# KiCad board noraneko52r.kicad_pcb (continued)
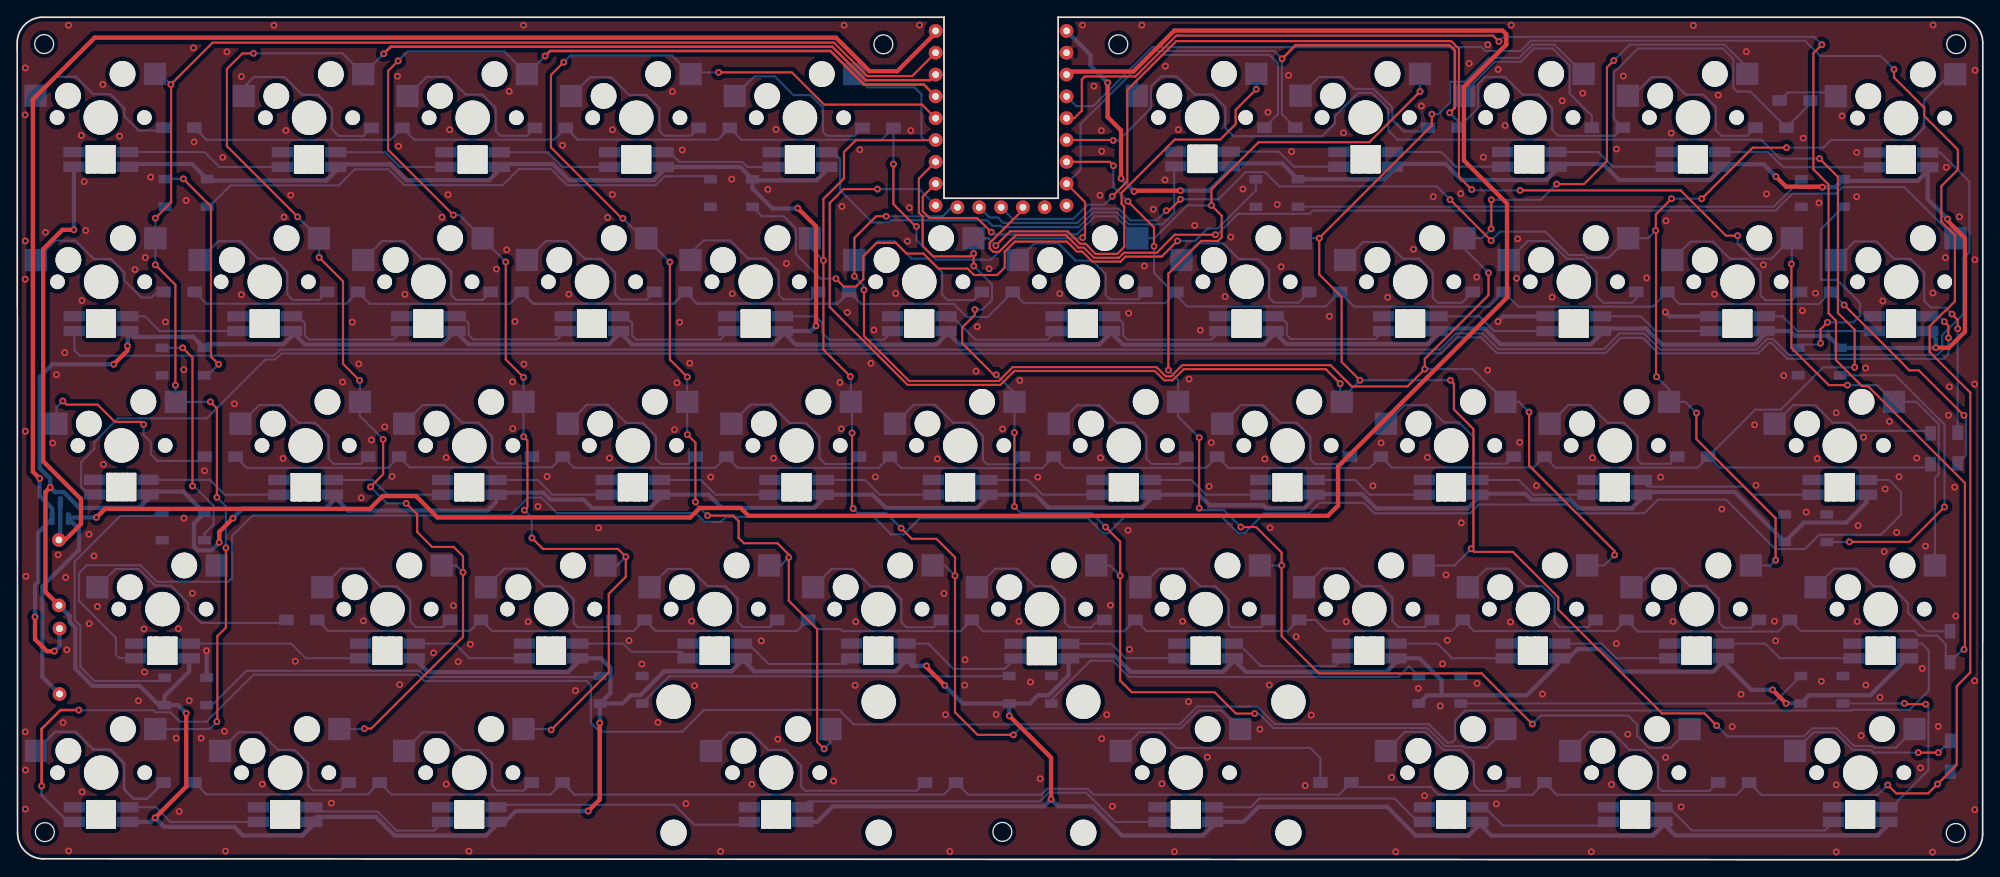
[diagram p0: board, top side]
## Routing (per net, layer and track width the routed paths; a pad name or vN(x,y) marks a point on that pad's centre or on a via; arc(x,y) is an arc through that point) (continued)
GND: length 14.9
  Top w0.5: 122.31,94.11 U1.31
  Bottom w0.5: LED20.3 172.99,63.28 v1(172.39,62.67) ; LED21.3 192.36,63.28 v1(191.85,63.78) ; LED57.3 22.06,24.33 v1(22.04,24.35)
  vias: v1(0.95,92.2) v1(0.93,86.73) v1(0.95,72.05) v1(0.94,67.59) v1(0.93,14.9) v1(0.95,5.9) v1(0.96,49.89) v1(1.02,33.01) v1(0.97,10.45) v1(3.3,73.05) v1(4.13,48.52) v1(4.57,56.48) v1(4.77,35.51) v1(5.34,15.97) v1(5.55,59.05) v1(5.65,32.88) v1(5.78,24.45) v1(5.98,97.17) v1(6,1.03) v1(7.47,84.33) v1(7.54,65.11) v1(7.55,7.9) v1(7.81,78.95) v1(7.98,73.27) v1(8.36,37.9) v1(8.38,27.49) v1(8.94,35.38) v1(9.34,29.49) v1(9.97,90.26) v1(10.04,46.03) v1(11.92,84.24) v1(13.72,68.72) v1(14.11,18.52) v1(14.76,26.88) v1(14.84,21.87) v1(14.91,70.12) v1(15.54,79.48) v1(17.26,62.62) v1(18.52,14.16) v1(18.76,26.9) v1(18.86,5.63) v1(19.39,57.06) v1(19.41,39.78) v1(19.67,76.77) v1(20.03,18.53) v1(20.39,31.03) v1(20.54,94.53) v1(20.59,83.57) v1(21.41,14.17) v1(21.81,45.29) v1(23.94,81.78) v1(24.13,14.96) v1(24.25,1.01) v1(24.42,94.07) v1(25.28,53.09) v1(26.1,91.19) v1(26.1,65.79) v1(28.53,8.81) v1(29.89,97.16) v1(30.95,46.73) v1(31.07,74.83) v1(31.28,84.91) v1(31.84,77.38) v1(32.38,23.11) v1(36.58,6.6) v1(37.89,55.62) v1(39.01,62.6) v1(39.77,57.73) v1(40.05,42.14) v1(40.3,27.82) v1(41.24,48.88) v1(42.79,50.41) v1(43.64,44.64) v1(44.28,91.22) v1(44.39,83.08) v1(44.52,20.39) v1(45.14,65.84) v1(48.48,24.09) v1(49.45,74.81) v1(49.94,46.83) v1(49.94,8.81) v1(50.16,77.43) v1(50.35,85) v1(50.79,29.59) v1(51.34,23.06) v1(52.59,1) v1(52.76,25.09) v1(55.79,68.77) v1(56.99,71.02) v1(57.28,89.47) v1(57.67,55.64) v1(57.7,50.2) v1(57.95,62.67) v1(58.95,97.17) v1(58.99,57.71) v1(59.49,27.73) v1(60.62,41.14) v1(61.69,44.64) v1(63.48,83.18) v1(64.23,65.85) v1(64.99,19.7) v1(67.68,38.64) v1(68.73,74.78) v1(68.95,46.77) v1(69.3,85) v1(69.29,77.46) v1(71.23,25.51) v1(72.73,22.79) v1(74.59,16) v1(76.28,89.44) v1(76.52,50.08) v1(76.81,55.53) v1(77.11,62.58) v1(77.42,82.64) v1(77.85,6.54) v1(78.3,57.82) v1(78.51,27.78) v1(78.85,20.27) v1(80.74,44.56) v1(81.89,0.98) v1(83.19,79.24) v1(83.25,65.91) v1(85.52,8.79) v1(86.62,25.49) v1(87.39,78.05) v1(88.06,46.75) v1(88.34,85.04) v1(88.55,14.04) v1(89.55,69.42) v1(95.04,9.16) v1(95.78,55.58) v1(95.94,50.17) v1(96.01,76.07) v1(96.27,97.17) v1(96.64,63.73) v1(97.55,20.32) v1(97.62,27.72) v1(98.09,82.67) v1(99.39,57.8) v1(99.74,61.68) v1(99.9,44.58) v1(102.27,65.94) v1(103.65,72.03) v1(103.86,75.92) v1(104.03,84.91) v1(105.05,97.18) v1(107.13,46.69) v1(107.89,31) v1(108.07,16.9) v1(108.57,0.97) v1(110.35,23.29) v1(110.31,20.33) v1(111.62,56.88) v1(111.75,62.06) v1(113.15,68.81) v1(113.96,16.92) v1(114.71,50.16) v1(116.62,27.76) v1(116.72,55.81) v1(117.95,20.69) v1(118.81,44.55) v1(119.09,9.44) v1(121.38,65.91) v1(124.02,97.18) v1(125.34,90.08) v1(126.05,77.36) v1(126.11,46.8) v1(126.22,84.9) v1(126.25,82.49) v1(126.25,14.1) v1(126.84,16.89) v1(127.27,29.64) v1(127.5,6.23) v1(129.32,38.36) v1(129.39,63.64) v1(129.48,24.5) v1(130.93,97.18) v1(131.22,69.14) v1(132.26,75.74) v1(133.26,8.85) v1(133.62,79.16) v1(133.67,92.4) v1(134.73,0.95) v1(135.17,85.01) v1(135.67,27.76) v1(136.43,55.97) v1(136.36,18.41) v1(137.07,73.85) v1(137.73,61.65) v1(138.55,11.95) v1(138.75,43.47) v1(139.02,48.57) v1(140.62,65.57) v1(141.28,72.51) v1(142.69,78.09) v1(144.67,15.21) v1(145.24,46.67) v1(145.61,87.03) v1(145.85,38.65) v1(145.77,20.35) v1(146.69,76.3) v1(147.14,69.04) v1(148.01,91.32) v1(148.35,82.46) v1(148.89,25.97) v1(149.94,8.64) v1(150.65,16.84) v1(152.76,63.28) v1(154.39,84.64) v1(154.72,27.72) v1(157.83,43.54) v1(158.78,48.54) v1(159.55,65.49) v1(159.99,9.6) v1(160.49,0.93) v1(162.55,71.08) v1(163.12,19.96) v1(163.47,87.76) v1(163.84,7.46) v1(164.18,46.85) v1(164.85,77.2) v1(165.66,17.91) v1(165.93,22.82) v1(166.34,33.17) v1(166.49,25.56) v1(168.05,77.57) v1(168.12,39.23) v1(169.03,92.72) v1(169.91,67.84) v1(169.95,20.53) v1(170.68,81.8) v1(171.2,94.89) v1(171.18,57) v1(172.19,6.51) v1(172.4,92.01) v1(173.21,85.48) v1(173.83,27.69) v1(173.93,97.18) v1(174.55,67.7) v1(174.68,72.29) v1(174.91,48.59) v1(176.87,43.57) v1(177.56,19.3) v1(178.68,65.51) v1(179.86,88.37) v1(182.25,89.25) v1(183.24,0.93) v1(183.39,46.8) v1(185.6,8.76) v1(186.17,82.74) v1(186.17,25.18) v1(186.98,91.24) v1(187.5,14.62) v1(189.7,67.74) v1(191.32,44.55) v1(191.94,74.39) v1(191.9,11.91) v1(192.55,84.6) v1(192.76,27.75) v1(193.71,6.16) v1(195.13,97.14) v1(197.59,65.85) v1(198.02,89.03) v1(198.45,40.83) v1(199.65,15.5) v1(200.68,19.27) v1(201.29,94.09) v1(202.25,50.64) v1(202.42,43.6) v1(203.28,69.26) v1(203.64,77.52) v1(204.57,27.77) v1(204.71,25.5) v1(205.65,56.38) v1(207.82,63.94) v1(207.92,84.02) v1(208.26,40.48) v1(209.35,65.96) v1(209.54,46.72) v1(209.76,76.47) v1(210.03,20.78) v1(211.76,52.04) v1(211.76,8.72) v1(211.76,0.91) v1(212.44,86.6) v1(214.15,82.36) v1(214.14,77.2) v1(214.2,27.75) v1(214.3,38.91) v1(214.67,14.47) v1(214.94,49.19) v1(215.18,57.25) v1(215.21,20.35) v1(216.86,18.93) v1(217.18,65.06) v1(217.35,35.88) v1(217.46,43.17) v1(217.96,51.03) v1(218.8,38.11) v1(219.07,44.59) v1(221.14,46.78) v1(221.57,10.7) v1(221.78,22.28) v1(222.16,36.52) v1(222.96,0.9) v1(223.04,97.19) v1(223.02,65.99) v1(223.64,15.53) v1(224.48,70.11) v1(224.58,80.62) v1(224.83,51.76) v1(224.95,55.07) v1(225.55,43.38) v1(225.68,28.38) v1(226.11,74.86) v1(227.92,91.93) v1(227.9,69.86) v1(227.88,55.38) v1(227.88,20.84) v1(227.89,5.83)
COL0: length 187.3
  Top w0.25: v1(23.25,42.2) 23.25,52.56 v1(22.49,53.32) ; v1(18.42,55.25) 18.42,66.94 v1(16.09,69.27) ; v1(24.3,36.32) 24.3,27.04 23.3,26.04 23.3,16.14 v1(23.25,16.09) ; v1(16.08,74.71) 17.92,76.54 17.92,90.24 v1(17.89,90.28) 22.76,95.14 95.08,95.14 98.98,91.24 104.19,91.24 U1.1
  Bottom w0.25: SW1.1 16.66,91.5 v1(17.89,90.28) ; v1(16.08,74.71) SW11.1 16.08,69.28 v1(16.09,69.27) ; SW34.1 24.3,35.34 v1(24.3,36.32) 24.3,41.15 v1(23.25,42.2) ; v1(18.42,55.25) 18.42,53.36 SW23.1 22.49,53.32 v1(22.49,53.32) ; v1(23.25,16.09) 22.38,15.22 SW45.1
COL1: length 190.6
  Top w0.25: v1(42.6,48.95) 42.6,44.89 v1(41.13,43.42) ; v1(35.15,70.13) 37.93,67.35 37.93,57.74 v1(39.86,55.81) ; v1(45.29,41.5) 46.57,40.23 46.57,38.17 48.31,36.42 50.81,36.42 51.9,35.33 v1(51.9,33.47) 51.9,25.97 41.21,15.27 v1(40.42,15.27) ; v1(27.51,93.89) 26.22,93.89 24.42,92.08 24.42,83.09 v1(32.64,74.86)
  Top w0.3: U1.2 106.26,90.76 98.78,90.76 94.88,94.67 43.49,94.67 v1(42.67,93.85)
  Bottom w0.25: v1(45.29,41.5) 43.04,41.5 v1(41.13,43.42) ; SW46.1 40.37,15.22 v1(40.42,15.27) ; v1(27.51,93.89) 27.51,93.89 37.87,93.89 SW2.1 v1(42.67,93.85) ; v1(39.86,55.81) 39.9,55.78 SW24.1 39.9,51.66 v1(42.6,48.95) ; v1(35.15,70.13) 35.15,72.36 SW12.1 v1(32.64,74.86) ; v1(51.9,33.47) 51.1,34.27 SW35.1
COL2: length 172.7
  Top w0.25: v1(58.95,56.18) 56.88,58.25 v1(56.88,69.6) ; v1(44.35,93.01) 43.19,91.85 43.19,82.66 v1(50.78,75.06) ; v1(58.96,49.26) 59.4,48.82 59.4,45.57 59.39,45.56 59.39,44.96 59.4,44.96 59.4,41.07 v1(59.04,40.71) ; v1(62.16,15.12) 68.87,21.83 68.87,30.97 70.85,32.95 v1(70.85,35.29) 69.94,36.19 61.2,36.19 v1(59.93,37.47)
  Top w0.3: U1.3 105.54,90.26 98.58,90.26 94.67,94.17 62.04,94.17 v1(61.46,93.59)
  Bottom w0.25: v1(59.93,37.47) 59.9,37.5 59.9,39.85 v1(59.04,40.71) ; v1(58.95,56.18) SW25.1 58.95,49.27 v1(58.96,49.26) ; SW36.1 69.83,34.27 v1(70.85,35.29) ; v1(61.46,93.59) SW3.1 56.7,94.11 45.45,94.11 v1(44.35,93.01) ; v1(56.88,69.6) 54.18,72.3 SW13.1 51.49,75.06 v1(50.78,75.06) ; v1(62.16,15.12) 62.06,15.22 SW47.1
COL3: length 150.2
  Top w0.25: U1.4 105.34,87.92 93.94,87.92 90.19,91.67 v1(81.66,91.67) ; v1(78.96,41.66) 78.96,48.57 v1(78.01,49.51) ; v1(63.63,92.86) 62.14,91.37 62.14,82.94 70.39,74.68 v1(70.52,74.68) ; v1(75.98,69.6) 75.98,58.25 v1(78.01,56.22) ; v1(93.94,12.91) 93.13,13.72 93.13,26.85 89.82,30.16 v1(89.82,35.21) 89.82,35.54 88.51,36.85 84.61,36.85 83.98,37.48 83.98,39.44 83.35,40.07 v1(80.38,40.07)
  Bottom w0.25: v1(78.96,41.66) 78.96,41.47 80.36,40.07 v1(80.38,40.07) ; v1(63.63,92.86) 64.41,93.64 76.22,93.64 SW4.1 78.59,91.67 v1(81.66,91.67) ; v1(78.01,49.51) 78,49.53 SW26.1 78,56.2 v1(78.01,56.22) ; v1(89.82,35.21) 88.88,34.27 SW37.1 ; v1(70.52,74.68) 72.83,72.37 SW14.1 73.23,72.35 v1(75.98,69.6) ; v1(93.94,12.91) 94.67,13.64 SW48.1
COL4: length 145.7
  Top w0.25: v1(97.19,49.69) 97.19,41.03 v1(97.32,40.9) ; v1(96.99,56.27) 93.86,59.39 v1(93.86,69.78) 93.86,76.94 96.25,79.33 96.25,82.4 97.62,83.78 106.89,83.78 U1.5 ; v1(102.9,38.62) 104.15,37.37 107.02,37.37 109.18,35.21 v1(109.18,33.08) 109.18,17.18 111.8,14.55 v1(115.98,14.55)
  Bottom w0.25: SW5.1 98.98,89.93 104.45,89.93 105.27,89.11 105.27,84.16 105.62,83.8 U1.5 ; v1(97.19,49.69) 97.19,53.18 SW27.1 97.05,56.21 v1(96.99,56.27) ; v1(115.98,14.55) 116.74,15.31 135.48,15.31 137.56,17.39 140.19,17.39 SW49.1 ; v1(109.18,33.08) 107.98,34.27 SW38.1 ; v1(102.9,38.62) 101.14,40.38 97.84,40.38 v1(97.32,40.9) ; v1(93.86,69.78) 92.28,71.36 SW15.1
COL5: length 188.1
  Top w0.25: v1(111.36,69.14) 111.34,69.16 v1(111.34,70.59) 111,70.25 106.63,70.25 105.41,71.47 105.41,74.89 104.97,75.33 104.97,79.31 U1.6 ; v1(126.7,38.74) 128.41,37.04 v1(128.41,33.08) 128.41,20.86 129.75,19.51 139.4,19.51 141.88,17.03 v1(144.06,17.03) ; v1(113.98,56.47) 113.68,56.47 110.02,60.13 110.02,61.99 111.49,63.46 v1(111.49,64.07) ; v1(116.09,41.13) v1(116.09,49.74) ; v1(113.93,71.51) 115.59,73.17 122.28,73.17 123.74,71.72 124.36,71.72 125.54,70.55 128.07,70.55 128.88,71.35 128.88,76.06 128.57,76.36 128.57,77.67 134.76,83.85 140.05,83.85 141.84,85.65 141.84,87.3 v1(144.25,89.71)
  Bottom w0.25: SW6.1 144.25,91.5 v1(144.25,89.71) ; SW16.1 113.06,72.37 v1(113.93,71.51) ; SW16.1 113.01,72.37 ; SW16.1 111.33,70.84 111.34,70.84 v1(111.34,70.59) ; v1(144.06,17.03) 144.54,17.03 146.23,15.34 164.15,15.34 166.27,13.22 168.36,13.22 168.51,13.07 171.1,13.07 SW50.1 ; v1(113.98,56.47) 116.1,54.35 SW28.1 116.1,49.75 v1(116.09,49.74) ; SW39.1 127.21,34.27 v1(128.41,33.08) ; v1(126.7,38.74) 125.09,40.35 116.86,40.35 v1(116.09,41.13) ; v1(111.36,69.14) 113.47,67.02 113.47,65.16 112.37,64.07 v1(111.49,64.07)
COL6: length 195.3
  Top w0.25: v1(134.02,57) 134.02,68.24 137.83,72.05 139.79,72.05 140.22,72.48 140.22,74.99 v1(139.03,76.19) 139.03,78.07 144.5,83.54 157.41,83.54 v1(163.31,89.44) ; U1.7 105.42,77.22 105.42,75.51 106.21,74.72 111.75,74.72 v1(113.39,73.08) ; v1(142.45,38.74) 144.23,38.74 147.2,35.77 v1(147.2,34.27) 147.2,26.04 151.54,21.7 170.49,21.7 v1(176.39,15.81) ; v1(137.6,49.16) v1(137.6,40.95)
  Bottom w0.25: v1(163.31,89.44) 163.31,90.6 163.3,90.61 SW7.1 ; SW40.1 147.2,34.27 v1(147.2,34.27) ; v1(137.6,40.95) 137.84,40.71 140.48,40.71 v1(142.45,38.74) ; v1(139.03,76.19) 136.2,76.19 132.38,72.37 SW17.1 127.83,74.92 125.47,74.92 123.35,72.8 113.67,72.8 v1(113.39,73.08) ; v1(134.02,57) 135.15,55.88 SW29.1 135.15,51.61 v1(137.6,49.16) ; SW51.1 192.49,13.03 189.98,13.03 188.59,14.42 188.59,15.74 187.52,16.81 177.39,16.81 v1(176.39,15.81)
COL7: length 262.8
  Top w0.25: v1(154.02,55.44) 152.33,57.12 135.8,57.12 134.51,55.83 133.53,55.83 132.45,56.91 116.08,56.91 114.46,55.3 103.65,55.3 94.59,64.35 94.59,76.47 96.2,78.09 v1(100.16,78.09) ; v1(151.58,72.37) 151.58,68.15 154.19,65.54 154.19,57.97 v1(156.32,55.84) ; v1(166.85,55.84) 167.25,55.43 167.25,52.43 169.52,50.16 169.52,36.47 v1(169.26,36.21) 169.62,35.85 174.12,35.85 179.41,30.56 179.41,29.12 191.49,17.05 196.43,17.05 v1(197.85,15.63) ; v1(164.69,86.81) 164.69,85.51 151.58,72.4
  Bottom w0.25: v1(100.16,78.09) 105.02,78.09 U1.8 ; v1(166.85,55.84) v1(156.32,55.84) 154.2,53.71 SW30.1 154.02,53.5 v1(154.02,55.44) ; v1(151.58,72.37) 149.44,72.37 ; v1(197.85,15.63) 199.1,14.37 208.03,14.37 208.96,15.3 211.79,15.3 213.84,13.25 215.98,13.25 216.18,13.05 218.71,13.05 SW52.1 ; SW8.1 178.94,94.91 176.4,94.91 174.85,93.37 171.31,93.37 168.53,90.59 166.83,90.59 166.83,88.17 165.47,86.81 v1(164.69,86.81) ; SW41.1 167.31,34.27 v1(169.26,36.21)
COL8: length 206.9
  Top w0.25: v1(98.58,66.35) 98.58,61 103.83,55.75 114.28,55.75 115.9,57.36 132.63,57.36 133.72,56.28 134.32,56.28 135.63,57.59 152.89,57.59 155.37,55.11 161.84,55.11 v1(163.86,57.13) 163.86,58.33 171.28,65.74 v1(171.28,68.33) ; v1(171.61,76.84) 171.61,73.49 v1(171.59,73.46) ; v1(185.96,35.49) 185.96,35.95 176,45.91 v1(176,52.13) ; v1(179.21,78.67) 182.41,78.67 185.07,81.34 185.07,92.26 v1(185.87,93.05) ; v1(97.47,67.93) 97.47,72.4 97.94,72.87 97.95,72.87 100,74.92 v1(101.17,74.92)
  Bottom w0.25: SW9.1 201.4,92.26 198.75,94.91 187.73,94.91 v1(185.87,93.05) ; v1(98.58,66.35) 98.58,66.82 v1(97.47,67.93) ; v1(171.59,73.46) 170.49,72.37 SW19.1 168.48,71.13 v1(171.28,68.33) ; v1(179.21,78.67) 177.38,76.84 v1(171.61,76.84) ; SW42.1 184.74,34.27 v1(185.96,35.49) ; v1(176,52.13) 174.81,53.32 SW31.1 169.44,57.13 v1(163.86,57.13) ; v1(101.17,74.92) 107.74,74.92 108.79,75.97 U1.9
COL9: length 183.2
  Top w0.25: v1(190.84,56.24) 190.79,56.29 190.79,73.22 v1(190.75,73.26) 190.76,73.28 190.76,75.14 v1(192.59,76.97) ; v1(133.78,75.59) 134.09,75.59 v1(135.42,76.91) ; v1(196.1,76.97) 202.04,82.91 v1(205.98,82.91) ; v1(204.71,34.88) 204.71,39.77 195.49,48.99 v1(195.49,52.03) ; v1(166.81,76.87) v1(171.59,72.09)
  Bottom w0.25: v1(171.59,72.09) 172.63,73.13 177.88,73.13 180.6,70.41 182.45,70.41 182.76,70.1 185.27,70.1 SW20.1 189.85,72.37 v1(190.75,73.26) ; v1(190.84,56.24) 192.3,54.78 SW32.1 194.19,53.32 v1(195.49,52.03) ; v1(204.71,34.88) 204.1,34.27 SW43.1 ; U1.10 113.19,74.78 114.17,74.78 114.79,74.16 123.44,74.16 125.1,75.82 128.2,75.82 129.58,74.45 132.64,74.45 v1(133.78,75.59) ; v1(135.42,76.91) 139.85,76.91 143,80.06 145.27,80.06 146.92,78.41 165.27,78.41 v1(166.81,76.87) ; v1(192.59,76.97) v1(196.1,76.97) ; v1(205.98,82.91) 210.27,82.91 211.16,83.8 220.57,83.8 222,85.23 222,88.42 225.02,91.44 SW10.1
COL10: length 178.4
  Top w0.25: v1(169.32,78.04) 167.84,79.52 167.84,94.42 166.94,95.32 134.93,95.32 130.36,90.75 130.35,90.75 129.23,89.63 129.23,78.99 v1(127.48,77.24) ; v1(174.96,77.93) 193.66,77.93 198.93,72.66 v1(200.28,72.66) ; v1(213.06,55.26) 210.89,55.26 206.54,59.62 v1(206.54,69.37)
  Bottom w0.25: v1(174.96,77.93) 169.43,77.93 v1(169.32,78.04) ; v1(213.06,55.26) 216.55,55.26 SW33.1 221.09,53.32 223.69,50.72 223.69,44.89 223.25,44.45 SW44.1 ; U1.11 115.9,74.61 122.94,74.61 124.6,76.27 126.55,76.27 127.48,77.21 v1(127.48,77.24) ; v1(200.28,72.66) 200.28,71.74 202.04,69.98 204.2,69.98 SW21.1 206.58,69.42 v1(206.54,69.37)
COL11: length 126.7
  Top w0.25: U1.12 117.08,75.68 113.2,71.81 113.2,71.21 113.63,70.78 114.31,70.78 116.25,72.72 122.1,72.72 123.55,71.27 124.17,71.27 125.35,70.1 128.26,70.1 128.84,70.68 132.67,70.68 134.76,72.78 v1(139.49,72.78)
  Bottom w0.25: v1(139.49,72.78) 139.68,72.78 142.11,75.21 150.44,75.21 150.82,75.58 204.68,75.58 206.66,77.56 211.74,77.56 212.49,78.31 219.69,78.31 SW22.1
LED3.3V: length 182.1
  Top w0.5: v1(4.33,24.29) 3.46,24.29 2.08,25.67 v1(2.08,28.28) ; v1(2.62,44.4) 1.82,45.2 1.82,88.52 9.01,95.72 95.31,95.72 99.22,91.81 102.46,91.81 106.92,96.27 U1.0
  Bottom w0.5: v1(2.62,44.4) 2.62,42.36 4.07,40.91 Q1.2 2.45,38.09 2.45,32.34 2.08,31.97 v1(2.08,28.28) ; R1.2 4.93,24.89 v1(4.33,24.29)
LED5V: length 53.4
  Top w0.5: v1(6.6,73.34) 5.27,73.34 3.03,71.1 3.03,46.4 7.43,42 7.43,39.09 5.58,37.24 R2.2
  Bottom w0.5: R2.2 5.01,37.39 5.01,41.58 Q1.3 ; LED1.4 6.6,80.67 v1(6.6,73.34)
ROW0: length 269.2
  Top w0.25: v1(124.04,72.45) 124.31,72.73 124.31,76.57 U1.15 ; v1(102.01,80.99) 102.01,76.33 104.6,73.74 v1(104.68,73.74)
  Top w0.3: v1(147.25,93.26) 148.83,94.84 166.75,94.84 167.37,94.22 167.37,87.58 v1(166.76,86.97)
  Bottom w0.25: D1.1 22.04,83.82 43.44,83.82 D2.1 46.21,83.84 62.5,83.84 D3.1 65.24,83.85 81.58,83.85 D4.1 84.33,83.83 100.62,83.83 D5.1 102.01,83.97 102.01,83.97 v1(102.01,80.99) ; U1.15 123.52,80.08 123.52,80.09 123.79,80.36 123.79,85.65 132.3,94.16 146.35,94.16 v1(147.25,93.26) 147.23,93.24 147.23,86.81 D6.1 ; v1(124.04,72.45) 123.94,72.35 115.83,72.35 113.34,69.86 106.99,69.86 104.68,72.17 v1(104.68,73.74) ; D10.1 208.77,88.05 D9.1 201.77,89.44 200.21,89.44 199.78,89.88 199.78,93.25 198.56,94.46 188.69,94.46 185.88,91.65 185.88,86.28 D8.1 185.96,84.3 179.38,84.3 178.7,84.97 178.7,87.52 177.15,89.07 175.28,89.07 173.2,91.15 170.9,91.15 170.08,90.33 170.08,87.52 168.12,85.56 168.12,85.25
  Bottom w0.3: D7.1 167.84,85.9 v1(166.76,86.97)
ROW1: length 255.4
  Top w0.25: v1(127.62,80.8) 127.16,81.26 U1.26 ; v1(132.34,71.43) 132.34,73.62 v1(129.29,76.66) ; v1(226.62,51.75) 226.62,51.75 221.38,56.98 220.28,56.98 219.53,57.73 219.53,57.76 219.52,57.76 v1(212.68,64.6)
  Bottom w0.25: v1(212.68,64.6) 211.17,66.11 D21.1 209.73,64.7 193.51,64.7 D20.1 190.39,64.4 183.01,64.4 183.01,64.41 179.41,64.41 179.41,64.4 174.76,64.4 D19.1 171.34,64.4 163.96,64.4 163.96,64.41 160.36,64.41 160.36,64.4 155.63,64.4 154.01,66.02 D18.1 152.32,64.42 136.2,64.42 134.95,65.68 D17.1 ; v1(127.62,80.8) 127.62,78.34 v1(129.29,76.66) ; v1(132.34,71.43) 132.34,68.31 134.54,66.11 D17.1 ; v1(226.62,51.75) 226.85,51.53 226.85,47.09 D22.1 ; D11.1 22.03,64.74 38.31,64.74 D12.1 41.06,64.73 57.34,64.73 D13.1 ; D17.1 133.65,64.81 117.2,64.81 D16.1 112.98,63.2 110.56,63.2 109.03,64.72 98.24,64.72 D15.1
  Bottom w0.3: D15.1 95.5,64.76 79.14,64.76 D14.1 76.42,64.74 60.09,64.74 D13.1
ROW2: length 358.8
  Top w0.25: v1(213.91,57.34) 213.91,61.71 211.96,63.66 211.96,79.51 v1(209.82,81.64) ; v1(127.59,83.75) 127.54,83.8 U1.27
  Bottom w0.25: 196.86,46.89 195.62,45.65 179.08,45.65 D31.1 176.53,45.67 160.01,45.67 D30.1 157.42,45.61 141.03,45.61 D29.1 138.4,45.63 133.93,45.63 133.92,45.63 121.96,45.63 D28.1 119.32,45.6 102.93,45.6 D27.1 100.29,45.63 83.86,45.63 D26.1 81.26,45.64 64.81,45.64 D25.1 62.27,45.69 45.7,45.69 D24.1 43.15,45.63 26.72,45.63 D23.1 ; v1(213.91,57.34) 210.23,57.34 205.31,52.41 202.32,52.41 D32.1 198.12,45.67 222.35,45.67 D33.1 ; v1(209.82,81.64) 205.22,81.64 203.01,83.84 160.69,83.84 159.63,84.9 159.63,87.4 157.73,89.3 156.12,89.3 153.43,86.61 153.43,85.74 151.93,84.24 141.62,84.24 140.65,85.21 140.65,87.64 139.19,89.09 137.12,89.09 135,91.21 133.18,91.21 131.98,90.01 131.98,87.49 128.24,83.75 v1(127.59,83.75)
ROW3: length 378.8
  Top w0.25: U1.28 123.07,86.34 123.94,87.21 123.94,90.84 124.29,91.2 130.18,91.2 134.95,95.97 171.8,95.97 v1(172.5,95.26) ; v1(226.64,24.49) 226.74,24.59 226.74,43.88 215.47,55.15 214.76,55.15 211.73,58.17 211.73,62.77 210.87,63.63 210.87,78.62 209.1,80.39 209.1,93.91 v1(210.09,94.9)
  Bottom w0.25: v1(226.64,24.49) 226.51,24.49 D44.1 224.51,23 224.51,25.11 223.52,26.1 221.41,26.1 220.87,26.64 207.65,26.64 D43.1 205.01,26.57 188.69,26.57 D42.1 186.04,26.63 169.58,26.63 D41.1 167.01,26.65 152.4,26.65 151.13,27.93 D40.1 147.93,26.63 131.47,26.63 D39.1 128.86,26.61 112.44,26.61 D38.1 109.82,26.62 96.08,26.62 95.84,26.86 93.13,26.86 D37.1 90.79,26.65 86.39,26.65 86.38,26.65 74.31,26.65 D36.1 71.74,26.63 55.29,26.63 D35.1 54,27.92 53.05,26.98 53.02,26.98 52.7,26.65 36.21,26.65 34.94,27.92 D34.1 ; v1(210.09,94.9) 209.18,95.81 173.05,95.81 v1(172.5,95.26)
ROW4: length 408.8
  Top w0.25: v1(218.49,92.03) 218.49,91.09 222.01,87.56 222.01,86.59 225.92,82.68 225.92,80.35 224,78.43 224,74.31 225.57,72.73 225.57,65.01 224.47,63.91 224.43,63.91 222.64,62.12 222.64,59.12 227.37,54.39 227.37,21.82 225.79,20.23 225.79,11.06 v1(223.55,8.82) 222.47,7.73 218.75,7.73 v1(217.76,8.72)
  Bottom w0.25: D52.1 223.59,8.82 v1(223.55,8.82) ; D45.1 22.02,7.62 40.8,7.62 D46.1 43.59,7.6 62.09,7.6 D47.1 63.5,8.97 64.88,7.59 107.87,7.59 D48.1 110.71,7.58 119.22,7.58 119.9,8.26 124.62,8.26 125.3,7.58 153.88,7.58 D49.1 155.84,8.47 164.55,8.47 165.45,7.57 176.36,7.57 D50.1 179.23,7.57 200.18,7.57 D51.1 203.07,7.55 216.6,7.55 v1(217.76,8.72) ; v1(218.49,92.03) 216.92,93.59 209.89,93.59 208.12,95.36 176.21,95.36 175.02,94.17 170.9,94.17 170.45,94.61 132.11,94.61 125.25,87.75 123.29,87.75 U1.29
Net-(D1-Pad2): length 19.1
  Bottom w0.25: SW1.2 4.35,91.16 6.84,91.16 8.86,89.14 10.84,89.14 12.47,87.51 12.47,86.57 14.14,84.9 16.68,84.9 D1.2
Net-(D2-Pad2): length 21
  Bottom w0.25: SW2.2 26.39,89.98 27.55,91.13 31.12,91.13 33.19,89.06 35.03,89.06 36.66,87.43 36.66,85.06 37.45,84.27 40.29,84.27 D2.2
Net-(D3-Pad2): length 20.5
  Bottom w0.25: SW3.2 47.67,91.16 50.15,91.16 52.22,89.09 54.14,89.09 55.72,87.51 55.72,84.84 56.27,84.29 59.35,84.29 D3.2
Net-(D4-Pad2): length 20.5
  Bottom w0.25: D4.2 78.43,84.3 75.34,84.3 74.77,84.87 74.77,87.51 73.23,89.05 71.23,89.05 69.17,91.11 66.67,91.11 SW4.2
Net-(D5-Pad2): length 20.7
  Bottom w0.25: D5.2 97.47,84.28 94.26,84.28 93.81,84.73 93.81,87.56 92.34,89.03 90.37,89.03 88.18,91.22 85.83,91.22 SW5.2
Net-(D6-Pad2): length 28
  Bottom w0.25: D6.2 146.78,86.83 146.78,92.71 145.77,93.71 133.24,93.71 130.35,90.83 SW6.2
Net-(D7-Pad2): length 19.4
  Bottom w0.25: D7.2 163.78,84.79 161.43,84.79 160.08,86.14 160.08,87.58 157.92,89.75 155.62,89.75 154.23,91.13 151.57,91.13 SW7.2
Net-(D8-Pad2): length 23.9
  Bottom w0.25: D8.2 183.31,86.64 180.73,89.22 180.73,92.49 178.75,94.46 176.59,94.46 175.04,92.92 172.03,92.92 168.45,89.34 SW8.2
Net-(D9-Pad2): length 20.6
  Bottom w0.25: SW9.2 188.09,88.96 190.26,91.13 192.2,91.13 194.24,89.09 196.29,89.09 197.74,87.65 197.74,84.97 198.42,84.29 201.41,84.29 D9.2
Net-(D10-Pad2): length 7.1
  Bottom w0.25: SW10.2 211.28,89.35 206.12,89.35 D10.2
Net-(D11-Pad2): length 19.4
  Bottom w0.25: D11.2 16.3,66.11 15.65,65.46 14.45,65.46 12.48,67.43 12.48,68.4 10.94,69.94 8.93,69.94 6.78,72.09 4.45,72.09 SW11.2
Net-(D12-Pad2): length 20.5
  Bottom w0.25: SW12.2 23.43,72.02 25.99,72.02 28.01,70 29.87,70 31.45,68.42 31.45,65.81 32.07,65.19 35.16,65.19 D12.2
Net-(D13-Pad2): length 20.6
  Bottom w0.25: SW13.2 42.5,72.04 45.01,72.04 47.08,69.97 49.05,69.97 50.54,68.48 50.54,65.73 51.09,65.18 54.19,65.18 D13.2
Net-(D14-Pad2): length 20.4
  Bottom w0.25: D14.2 73.29,65.22 70.23,65.22 69.61,65.84 69.61,68.38 68.02,69.97 66.06,69.97 64,72.03 61.54,72.03 SW14.2
Net-(D15-Pad2): length 21.1
  Bottom w0.25: D15.2 92.37,65.24 89.2,65.24 88.66,65.78 88.66,68.51 87.16,70.01 85.11,70.01 83.01,72.11 79.88,72.11 78.38,70.62 SW15.2
Net-(D16-Pad2): length 20.5
  Bottom w0.25: SW16.2 98.05,69.83 100.23,72 101.61,72 101.62,72 102.13,72 104.15,69.98 106.09,69.98 107.69,68.38 107.69,65.8 108.32,65.17 111.36,65.17 D16.2
Net-(D17-Pad2): length 20.2
  Bottom w0.25: SW17.2 118.44,71.78 121.2,71.78 123.22,69.76 125.16,69.76 126.72,68.2 126.72,65.76 127.22,65.26 130.5,65.26 D17.2
Net-(D18-Pad2): length 20.9
  Bottom w0.25: SW18.2 137.48,71.77 140.39,71.77 142.23,69.93 144.48,69.93 145.75,68.66 145.75,65.42 146.3,64.87 149.17,64.87 D18.2
Net-(D19-Pad2): length 20.9
  Bottom w0.25: SW19.2 156.68,71.92 159.39,71.92 161.33,69.98 163.23,69.98 164.8,68.41 164.8,65.44 165.39,64.85 168.19,64.85 D19.2
Net-(D20-Pad2): length 21.3
  Bottom w0.25: D20.2 188.5,65.37 187.98,64.85 184.66,64.85 183.89,65.62 183.89,68.34 182.27,69.96 180.42,69.96 178.34,72.04 175.85,72.04 SW20.2
Net-(D21-Pad2): length 20.6
  Bottom w0.25: SW21.2 194.83,71.97 197.4,71.97 199.4,69.97 201.41,69.97 202.96,68.43 202.96,65.7 203.51,65.15 206.58,65.15 D21.2
Net-(D22-Pad2): length 33.9
  Top w0.25: v1(225.9,61.84) 225.9,62.87 v1(225.24,63.53)
  Bottom w0.25: SW22.2 213.9,71.99 216.46,71.99 218.49,69.96 220.43,69.96 222,68.39 222,65.07 222.78,64.29 224.48,64.29 v1(225.24,63.53) ; v1(225.9,61.84) D22.2
Net-(D23-Pad2): length 24.1
  Top w0.25: v1(5.32,53.42) 5.75,52.99 9.37,52.99 11.38,50.98 14.41,50.98 v1(14.71,50.68)
  Bottom w0.25: D23.2 21.32,46.44 16.32,46.44 15.56,47.2 15.56,48.63 14.71,49.48 v1(14.71,50.68) ; v1(5.32,53.42) 4.56,52.67 SW23.2
Net-(D24-Pad2): length 20.5
  Bottom w0.25: SW24.2 28.16,52.94 30.7,52.94 32.76,50.88 34.7,50.88 36.25,49.33 36.25,46.69 36.86,46.08 40,46.08 D24.2
Net-(D25-Pad2): length 20.4
  Bottom w0.25: D25.2 59.12,46.14 55.94,46.14 55.3,46.78 55.3,49.3 53.71,50.89 51.8,50.89 49.74,52.95 47.22,52.95 SW25.2
Net-(D26-Pad2): length 20.5
  Bottom w0.25: D26.2 78.11,46.09 74.95,46.09 74.36,46.68 74.36,49.34 72.85,50.85 70.91,50.85 68.78,52.98 66.3,52.98 SW26.2
Net-(D27-Pad2): length 20.5
  Bottom w0.25: SW27.2 85.37,53 87.77,53 89.92,50.85 91.82,50.85 93.39,49.28 93.39,46.76 94.07,46.08 97.14,46.08 D27.2
Net-(D28-Pad2): length 20.7
  Bottom w0.25: SW28.2 104.4,52.98 106.87,52.98 108.96,50.89 110.88,50.89 112.43,49.34 112.43,46.53 112.91,46.05 116.17,46.05 D28.2
Net-(D29-Pad2): length 20.5
  Bottom w0.25: SW29.2 123.38,52.91 125.97,52.91 127.99,50.89 129.96,50.89 131.46,49.39 131.46,46.69 132.07,46.08 134.11,46.08 134.11,46.08 135.25,46.08 D29.2
Net-(D30-Pad2): length 20.5
  Bottom w0.25: SW30.2 142.45,52.93 145,52.93 147.04,50.89 148.92,50.89 150.55,49.26 150.55,46.61 151.1,46.06 154.27,46.06 D30.2
Net-(D31-Pad2): length 20.6
  Bottom w0.25: D31.2 173.38,46.12 169.8,46.12 169.56,46.36 169.56,49.21 167.85,50.92 166.11,50.92 164.08,52.95 161.51,52.95 SW31.2
Net-(D32-Pad2): length 20.6
  Bottom w0.25: SW32.2 180.58,52.96 183.05,52.96 185.13,50.88 187.05,50.88 188.65,49.28 188.65,46.55 189.1,46.1 192.42,46.1 D32.2
Net-(D33-Pad2): length 20.4
  Bottom w0.25: D33.2 222.46,49.94 214.21,49.94 213.26,50.89 211.35,50.89 209.31,52.93 206.74,52.93 SW33.2
Net-(D34-Pad2): length 26.1
  Bottom w0.25: D34.2 30.99,27.58 21.43,27.58 19.88,29.13 19.88,29.91 17.87,31.92 16.08,31.92 14.15,33.85 11.45,33.85 SW34.2
Net-(D35-Pad2): length 20.4
  Bottom w0.25: SW35.2 37.7,33.91 40.22,33.91 42.3,31.83 44.2,31.83 45.77,30.26 45.77,27.75 46.42,27.1 49.57,27.1 D35.2
Net-(D36-Pad2): length 20.6
  Bottom w0.25: D36.2 68.59,27.08 65.26,27.08 64.79,27.55 64.79,30.32 63.25,31.86 61.34,31.86 59.3,33.9 56.74,33.9 SW36.2
Net-(D37-Pad2): length 20.5
  Bottom w0.25: D37.2 87.64,27.1 86.57,27.1 86.57,27.1 84.5,27.1 83.88,27.72 83.88,30.41 82.44,31.85 80.4,31.85 78.38,33.87 75.76,33.87 SW37.2
Net-(D38-Pad2): length 20.5
  Bottom w0.25: SW38.2 94.81,33.87 97.33,33.87 99.37,31.83 101.42,31.83 102.94,30.31 102.94,27.63 103.5,27.07 106.67,27.07 D38.2
Net-(D39-Pad2): length 20.5
  Bottom w0.25: SW39.2 113.89,33.9 116.41,33.9 118.46,31.85 120.42,31.85 121.98,30.29 121.98,27.61 122.53,27.06 125.03,27.06 125.89,27.93 D39.2
Net-(D40-Pad2): length 20.6
  Bottom w0.25: D40.2 144.78,27.08 141.33,27.08 141.03,27.38 141.03,30.3 139.49,31.84 137.73,31.84 135.68,33.89 132.93,33.89 SW40.2
Net-(D41-Pad2): length 20.5
  Bottom w0.25: SW41.2 152.01,33.92 154.45,33.92 156.51,31.86 158.72,31.86 160.1,30.48 160.1,27.8 160.8,27.1 163.86,27.1 D41.2
Net-(D42-Pad2): length 20.6
  Bottom w0.25: D42.2 182.89,27.08 179.58,27.08 178.98,27.68 178.98,30.42 177.53,31.87 175.62,31.87 173.58,33.91 171.05,33.91 SW42.2
Net-(D43-Pad2): length 20.6
  Bottom w0.25: SW43.2 188.53,31.73 190.73,33.92 192.69,33.92 194.72,31.89 196.6,31.89 198.14,30.35 198.14,27.58 198.7,27.02 201.86,27.02 D43.2
Net-(D44-Pad2): length 20.2
  Bottom w0.25: D44.2 222.28,26.6 220.11,28.77 220.11,29.9 218.18,31.83 216.15,31.83 214.09,33.89 211.52,33.89 SW44.2
Net-(D45-Pad2): length 21.6
  Bottom w0.3: SW45.2 4.4,14.89 6.82,14.89 8.88,12.83 10.86,12.83 12.45,11.24 12.45,8.21 13.55,7.11 15.14,7.11 D45.2
